# Altium PCB mPCIe_Breakout01_PCBONLY__12132021847.PcbDoc (part 1 of 2)
Units mil, origin at the board's own origin, x right, y up, seen from the top; angles counter-clockwise.
Board outline 4000 x 4000 mil, 4 copper layers (Top Layer, Inner Layer 1, Inner Layer 2, Bottom Layer), stack 60.911 mil thick; 97 components, 50 nets, 363 pads, 274 vias.
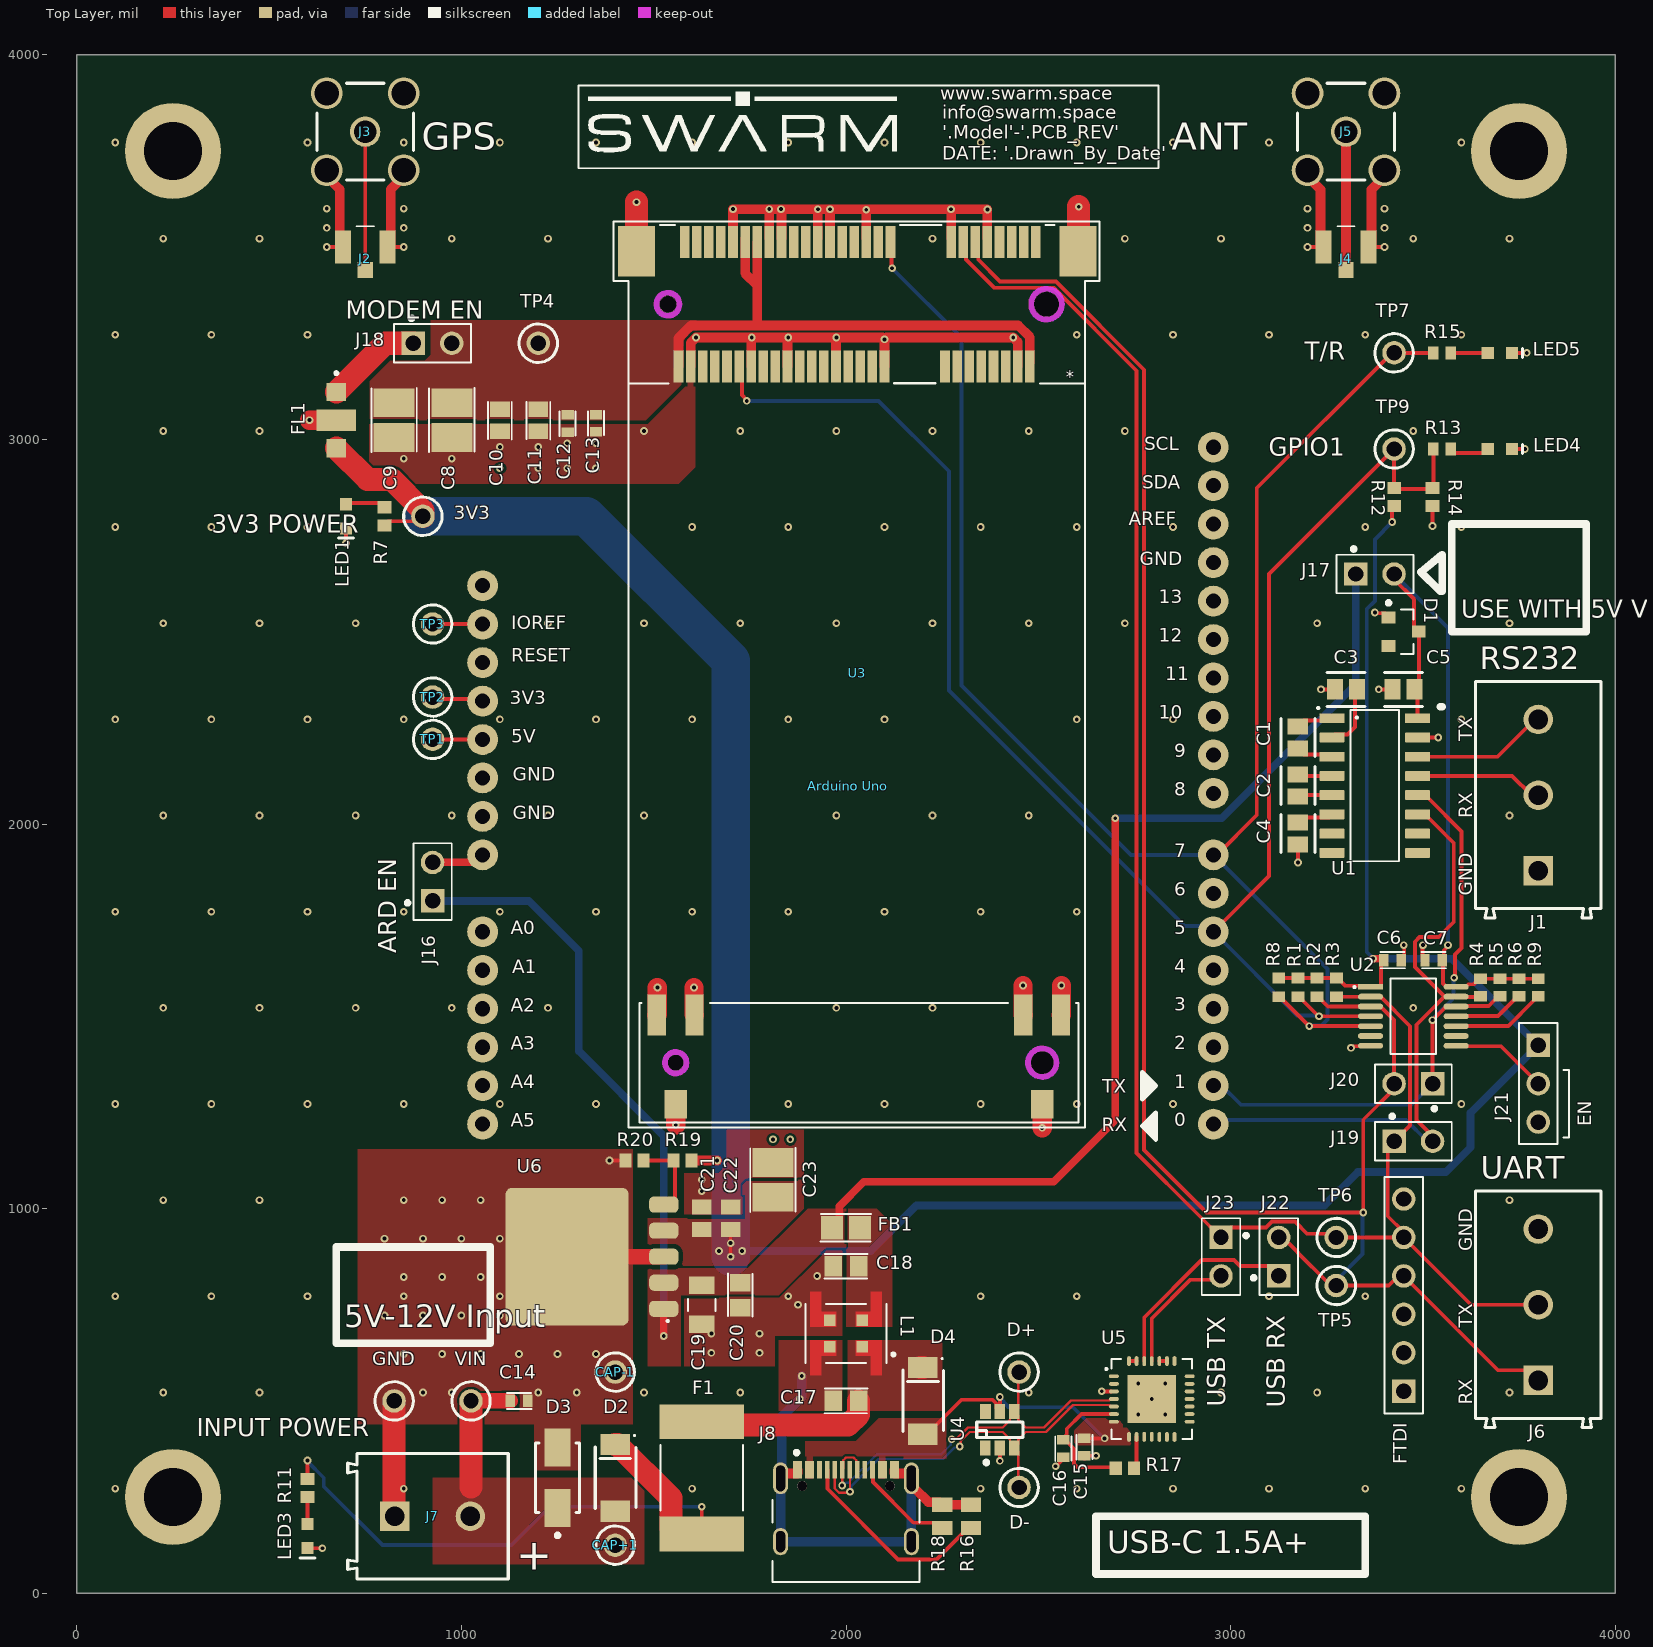
[diagram p0: Top Layer view]
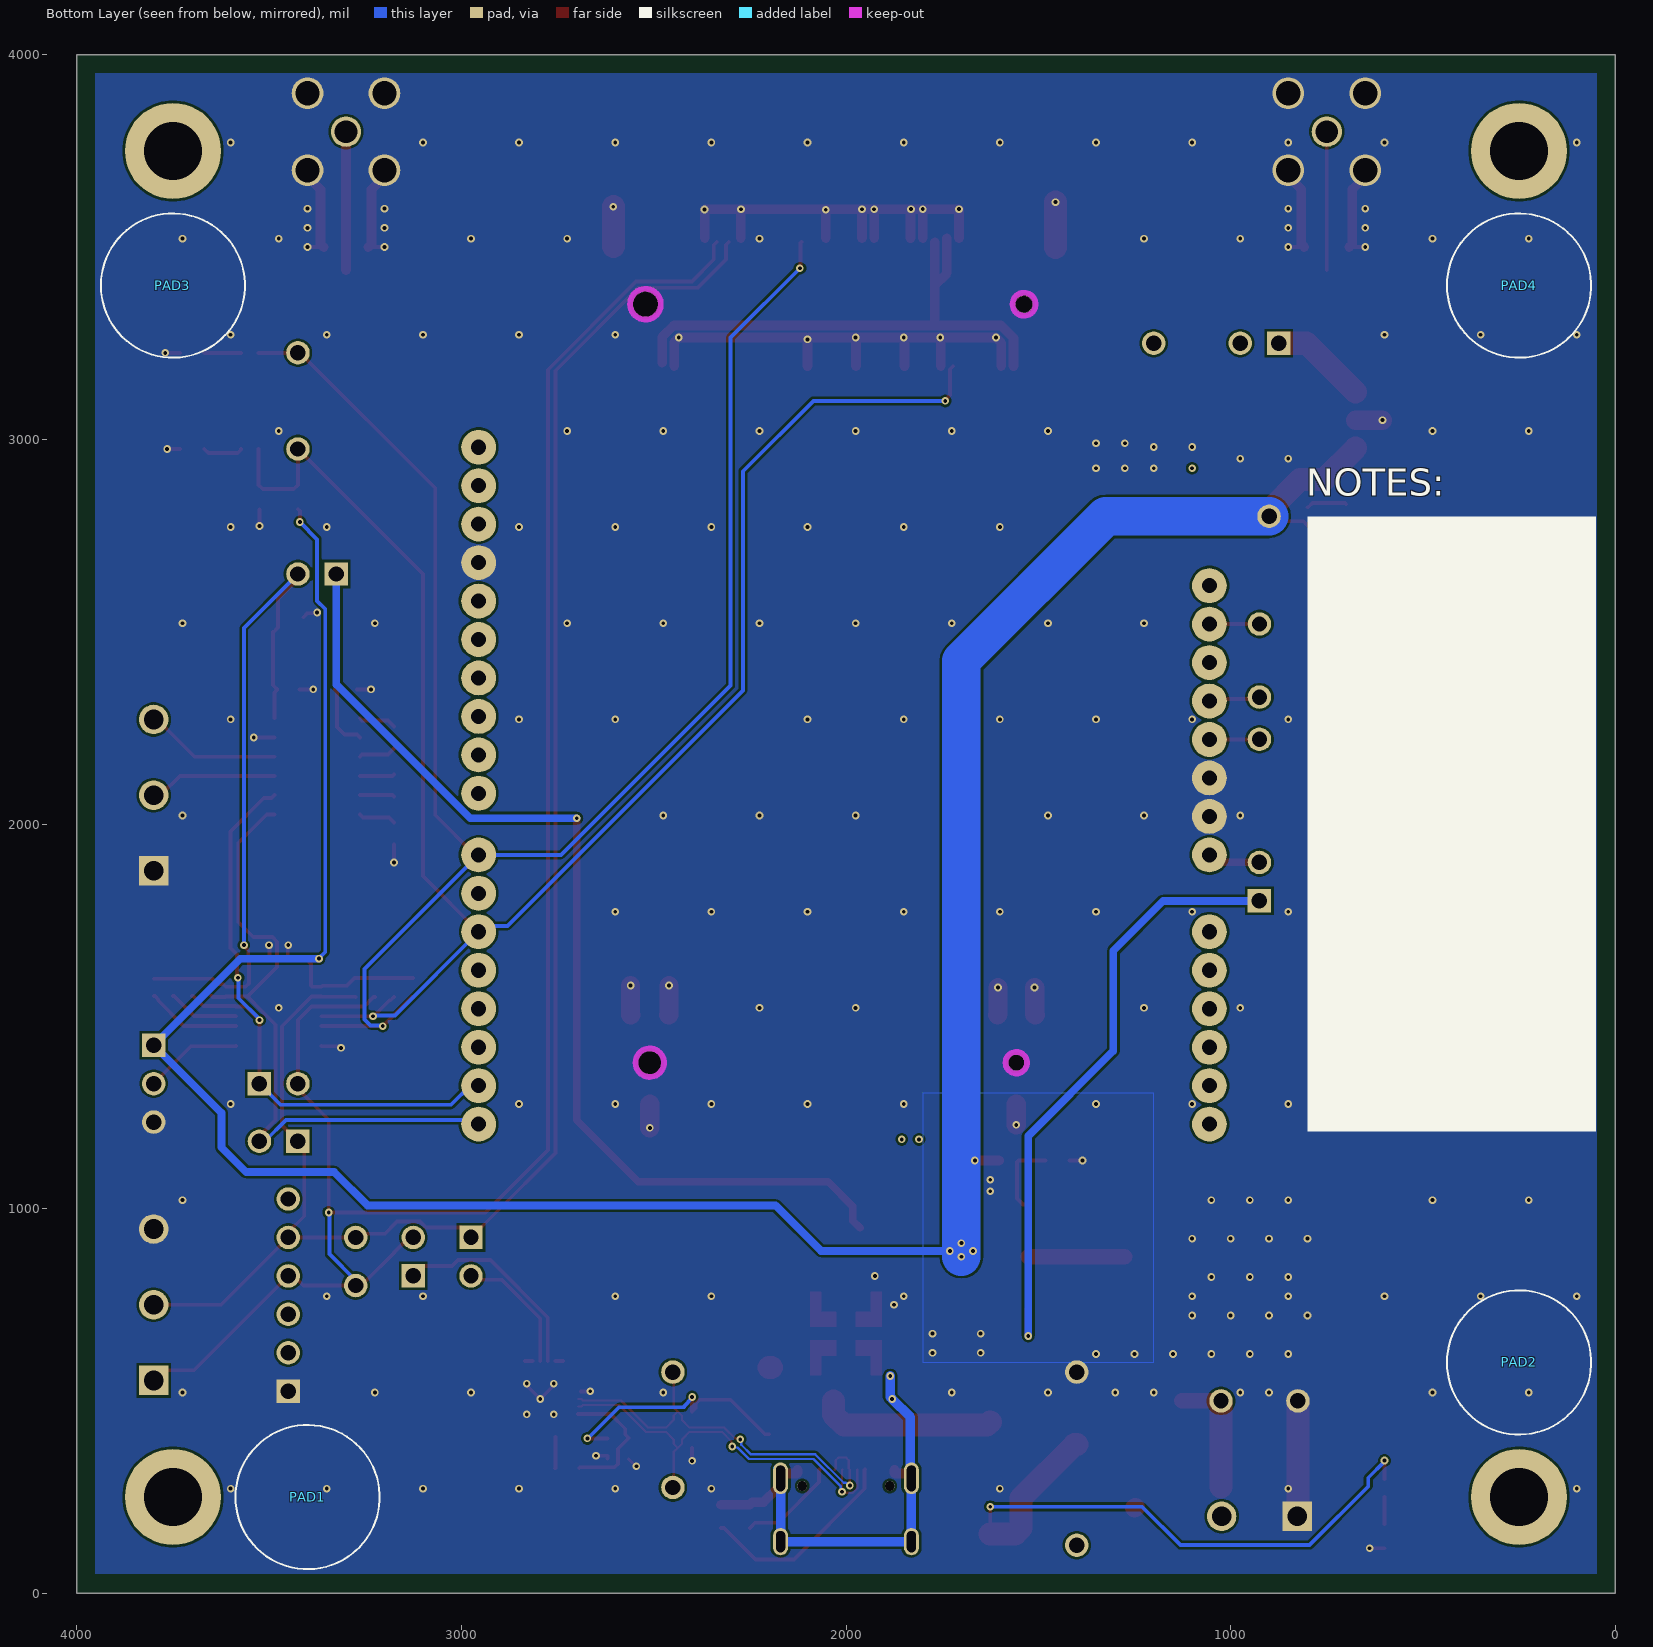
[diagram p1: Bottom Layer view, seen from below]
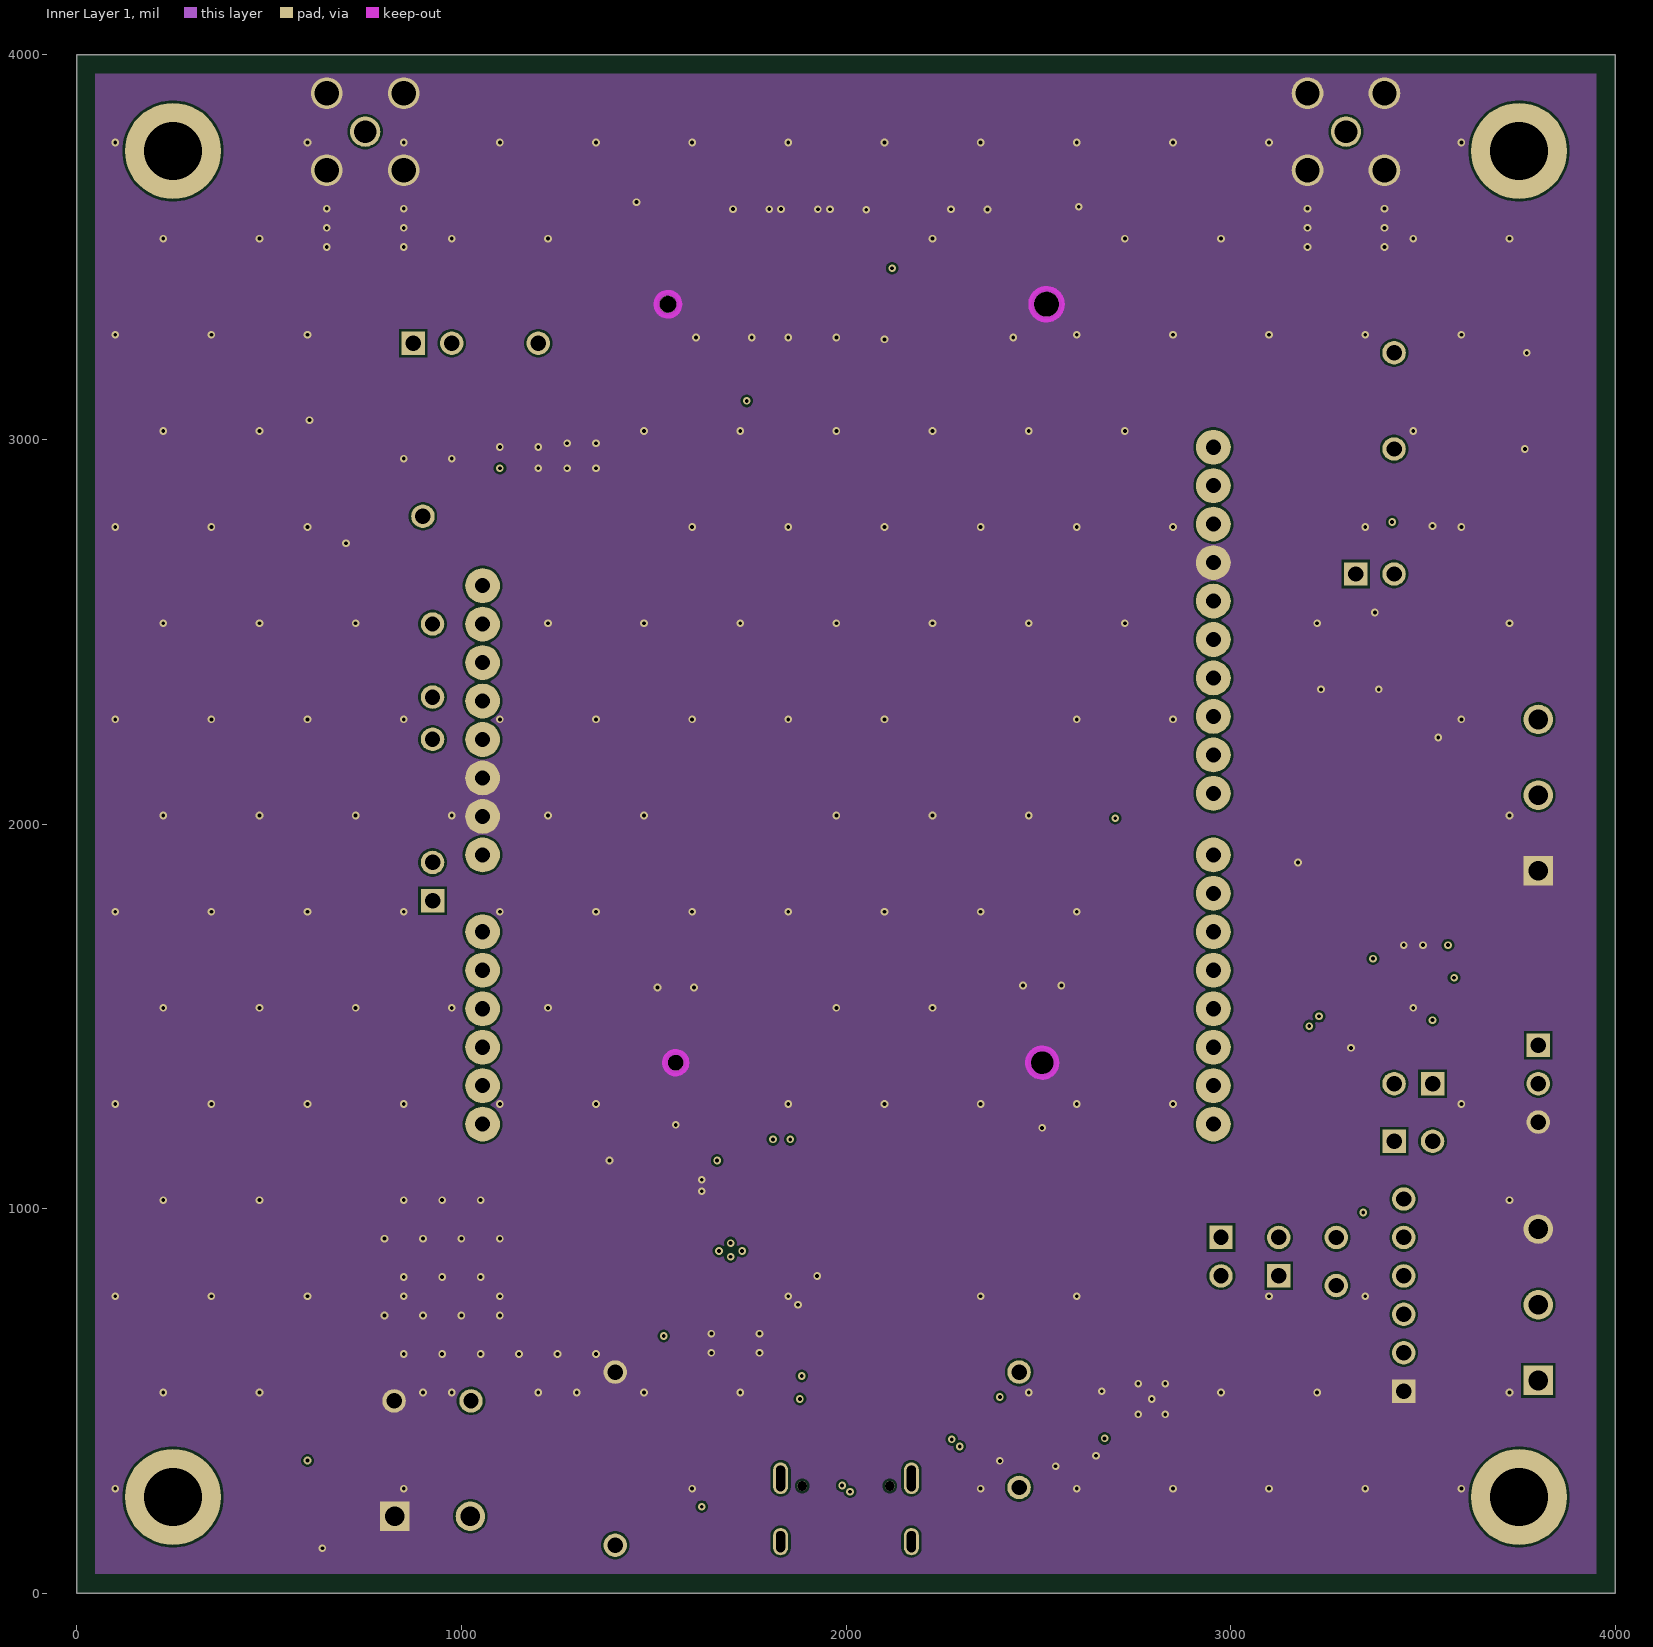
[diagram p2: Inner Layer 1]
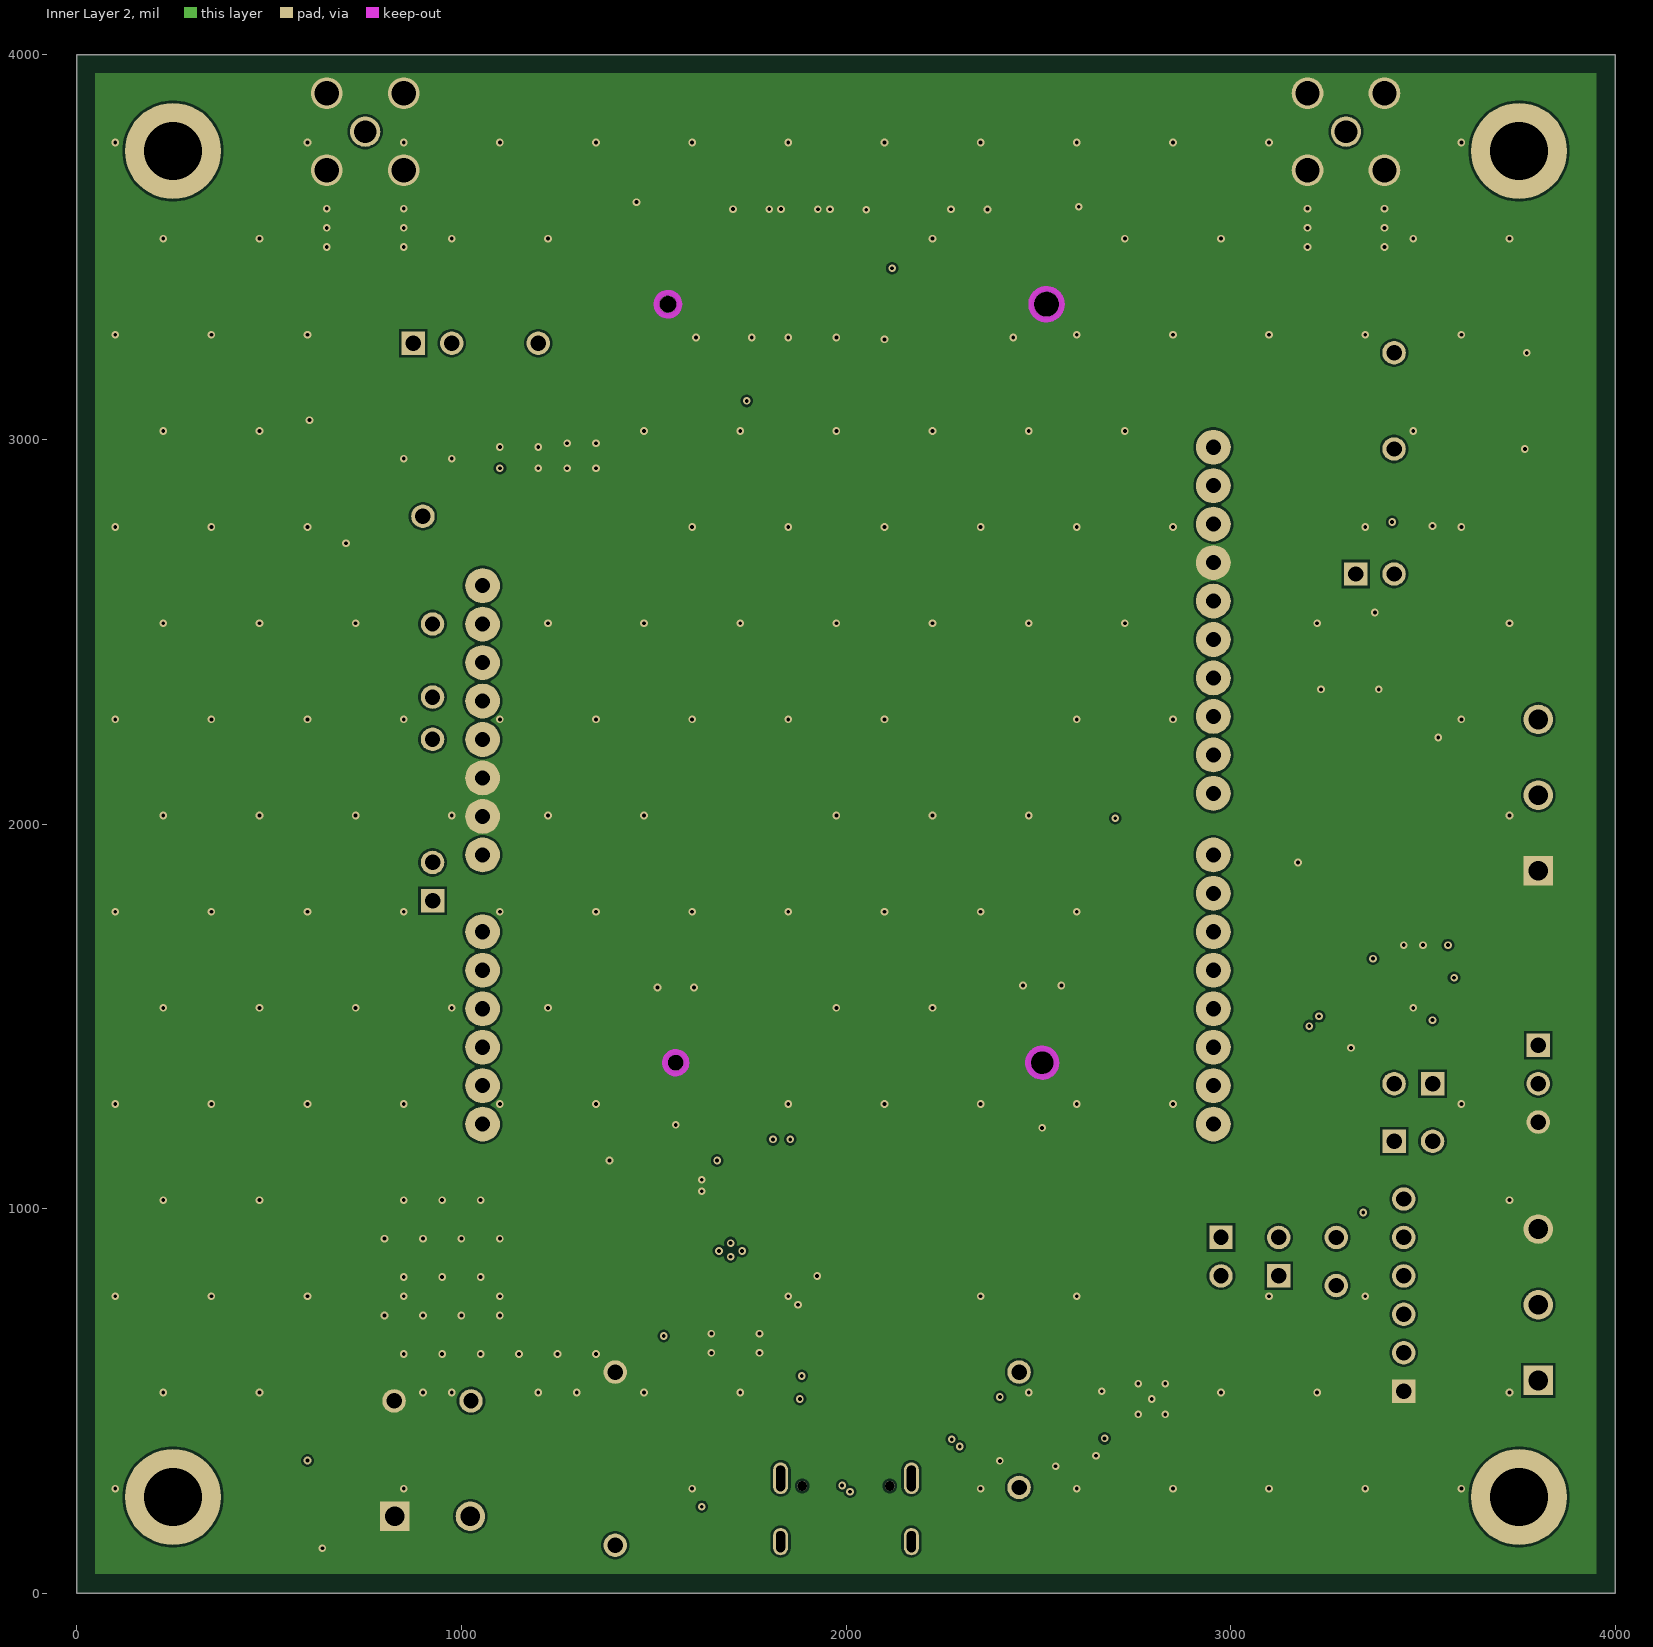
[diagram p3: Inner Layer 2]
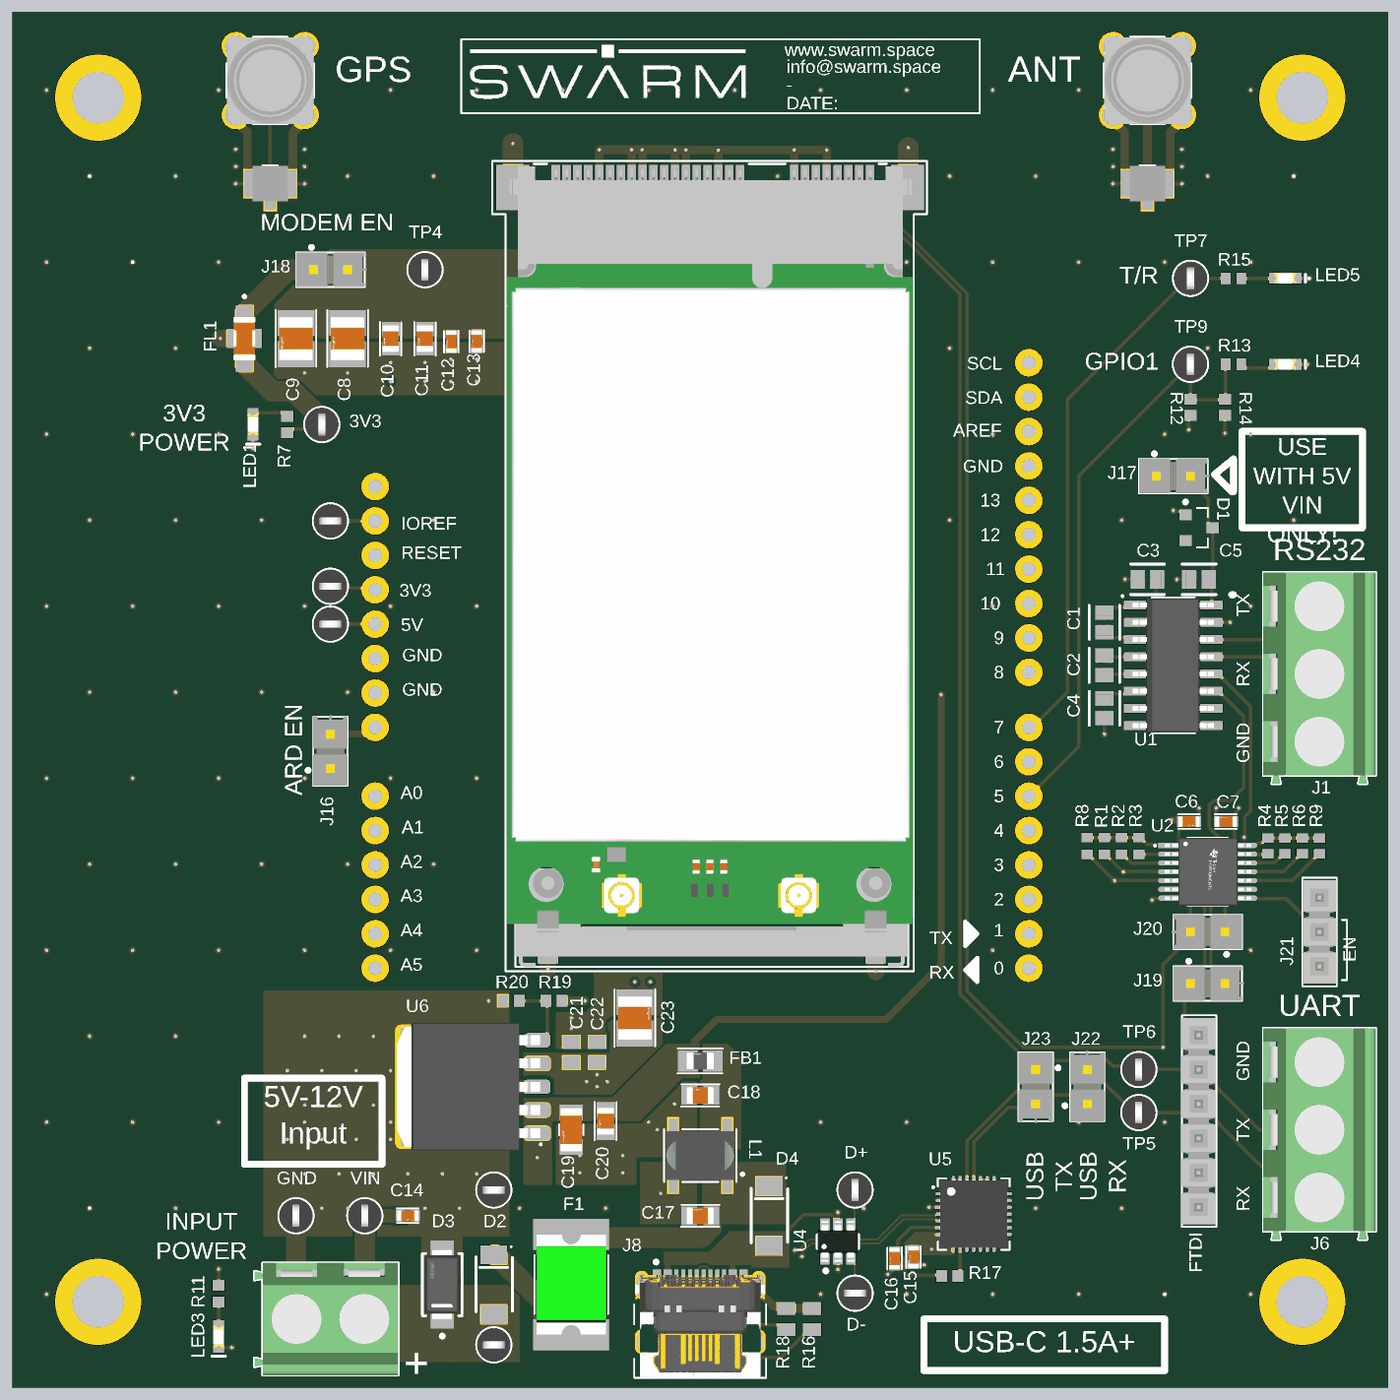
[diagram p5: 3D render of the assembled board from above, using the file's embedded part models]

## Layer stack, top to bottom
Top Solder: solder mask 0.5, Solder Resist, Dk 3.5
Top Layer: signal copper 1.3778
Dielectric1: prepreg 8.2, PP-022, Dk 4.5
Inner Layer 1: signal copper 1.3778
Dielectric4: core 39, Core-042, Dk 4.6
Inner Layer 2: signal copper 1.3778
Dielectric7: prepreg 8.2, PP-022, Dk 4.5
Bottom Layer: signal copper 1.3778
Bottom Solder: solder mask 0.5, Solder Resist, Dk 3.5

## Board outline
0,0 0,4000 4000,4000 4000,0
